# Altium PCB BaseBoard.PcbDoc (part 1 of 3) (continued)
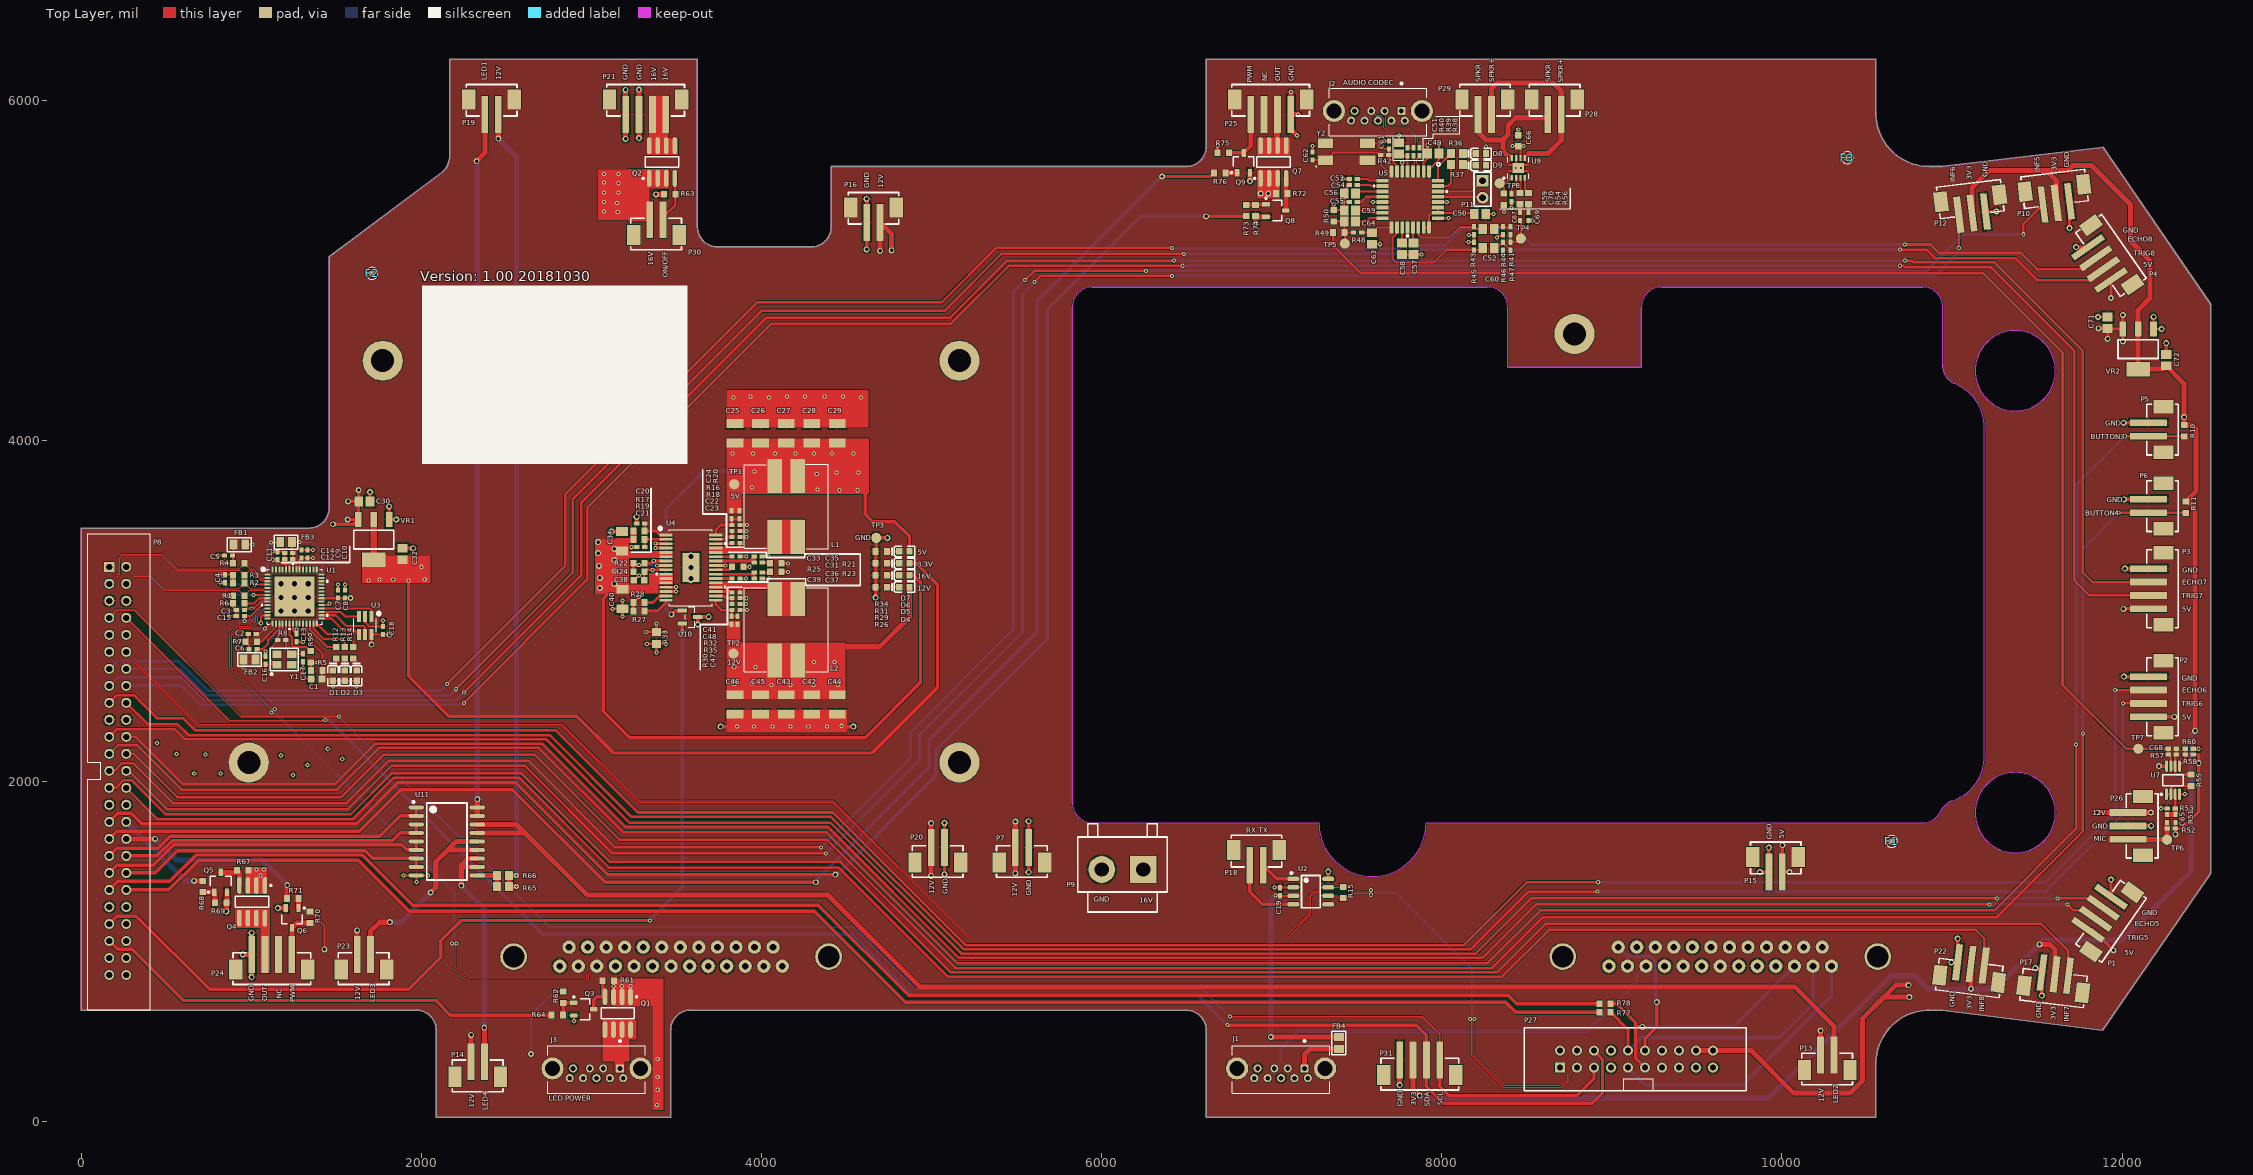
[diagram p0: Top Layer view]
## Components (designator, comment, footprint, x,y, rotation, side; value= is the part's Value field where it differs from the comment)
C1 "Cap 0603" CAP0603N 1385,2600 r0 top value=0.1uF
C2 "Cap 0402" CAP0402N 1005,2865 r0 top value=0.1uF
C3 "Cap 0402" CAP0402N 936.38,3005 r0 top value=0.1uF
C4 "Cap 0402" CAP0402N 846.38,3190 r90 top value=0.1uF
C5 "Cap 0402" CAP0402N 866.38,3325 r0 top value=0.1uF
C6 "Cap 0402" CAP0402N 1010,2775 r0 top value=0.1uF
C7 "Cap 0402" CAP0402N 1510,3100 r270 top value=0.1uF
C8 "Cap 0402" CAP0402N 1550,3100 r270 top value=0.1uF
C9 "Cap 0402" CAP0402N 1295,3335 r270 top value=0.1uF
C10 "Cap 0402" CAP0402N 1330,3335 r270 top value=0.1uF
C11 "Cap 0402" CAP0402N 1155,3325 r270 top value=0.1uF
C12 "Cap 0402" CAP0402N 1220,3305 r0 top value=0.1uF
C13 "Cap 0402" CAP0402N 1266,2843 r90 top value=0.1uF
C14 "Cap 0402" CAP0402N 1220,3340 r0 top value=0.1uF
C15 "Cap 0402" CAP0402N 936.38,2970 r0 top value=0.1uF
C16 "Cap 0402" CAP0402N 1085,2710 r270 top value=33pF
C17 "Cap 0402" CAP0402N 1305,2725 r90 top value=33pF
C18 "Cap 0402" CAP0402N 1775,2885 r270 top value=0.1uF
C19 "Cap 0402" CAP0402N 7050,1350 r270 top value=0.1uF
C20 "Cap 0402" CAP0402N 3290,3515 r180 top value=0.01uF
C21 "Cap 0402" CAP0402N 3290,3375 r180 top value=0.01uF
C22 "" CAP0402N 3850,3435 r0 top value=51pF
C23 "Cap 0402" CAP0402N 3850,3400 r0 top value=0.047uF
C24 "Cap 0402" CAP0402N 3825,3565 r270 top value=470pF
C25 "Cap 1210" CAP1210N 3845,4045 r270 top value=22uF
C26 "Cap 1210" CAP1210N 3995,4045 r270 top value=22uF
C27 "Cap 1210" CAP1210N 4145,4045 r270 top value=22uF
C28 "Cap 1210" CAP1210N 4295,4045 r270 top value=22uF
C29 "Cap 1210" CAP1210N 4445,4045 r270 top value=22uF
C30 "Cap 0805" CAP0805N 1665,3645 r180 top value=1.0uF
C31 "Cap 0402" CAP0402N 3981.38,3285 r180 top value=0.01uF
C32 "Cap 0805" CAP0805N 1890,3335 r270 top value=1.0uF
C33 "Cap 0402" CAP0402N 3850,3320 r180 top value=0.01uF
C34 "Cap 1206" CAP1206N 3180,3410 r270 top value=10uF
C35 "" CAP0402N 3981.38,3320 r0 top value=51pF
C36 "Cap 0402" CAP0402N 3981.38,3225 r180 top value=0.01uF
C37 "" CAP0402N 3981.38,3190 r0 top value=51pF
C38 "Cap 0603" CAP0603N 3280,3180 r0 top value=1.0uF
C39 "Cap 0402" CAP0402N 3850,3190 r180 top value=0.01uF
C40 "Cap 1206" CAP1206N 3183,3070 r90 top value=10uF
C41 "Cap 0402" CAP0402N 3850,3110 r0 top value=0.047uF
C42 "Cap 1210" CAP1210N 4295,2450 r90 top value=22uF
C43 "Cap 1210" CAP1210N 4145,2450 r90 top value=22uF
C44 "Cap 1210" CAP1210N 4445,2450 r90 top value=22uF
C45 "Cap 1210" CAP1210N 3995,2450 r90 top value=22uF
C46 "Cap 1210" CAP1210N 3845,2450 r90 top value=22uF
C47 "Cap 0402" CAP0402N 3860,2945 r270 top value=470pF
C48 "" CAP0402N 3850,3075 r0 top value=51pF
C49 "Cap 0805" CAP0805N 7950,5690 r0 top value=1.0uF
C50 "Cap 0805" CAP0805N 8225,5335 r180 top value=1.0uF
C51 "Cap 0805" CAP0805N 7750,5720 r270 top value=1.0uF
C52 "Cap 0805" CAP0805N 8275,5245 r0 top value=22uF
C53 "Cap 0402" CAP0402N 7480,5540 r0 top value=100pF
C54 "Cap 0402" CAP0402N 7480,5505 r0 top value=100pF
C55 "Cap 0402" CAP0402N 7480,5405 r0 top value=0.1uF
C56 "Cap 0805" CAP0805N 7460,5455 r0 top value=10uF
C57 "Cap 0805" CAP0805N 7835,5130 r270 top value=1.0uF
C58 "Cap 0805" CAP0805N 7765,5130 r270 top value=1.0uF
C59 "Cap 0805" CAP0805N 7460,5355 r0 top value=1.0uF
C60 "Cap 0805" CAP0805N 8275,5135 r0 top value=22uF
C61 "Cap 0402" CAP0402N 7690,5740 r270 top value=18pF
C62 "Cap 0402" CAP0402N 7240,5675 r270 top value=18pF
C63 "Cap 0805" CAP0805N 7590,5190 r90 top value=10uF
C64 "Cap 0805" CAP0805N 7460,5290 r0 top value=1.0uF
C65 "Cap 0402" CAP0402N 12265,1780 r270 top value=1.0uF
C66 "Cap 0603" CAP0603N 8450,5765 r270 top value=1.0uF
C67 "Cap 0402" CAP0402N 8460,5320 r270 top value=0.22uF
C68 "Cap 0402" CAP0402N 12295,2190 r180 top value=0.01uF
C69 "Cap 0402" CAP0402N 8510,5320 r270 top value=0.22uF
C70 "Cap 0402" CAP0402N 8410,5430 r90 top value=0.22uF
C71 "Cap 0805" CAP0805N 11915,4695 r270 top value=1.0uF
C72 "Cap 0805" CAP0805N 12260,4475 r270 top value=1.0uF
D1 "绿灯 0603" 0603_LED_S1 1480,2620 r270 top
D2 "蓝灯 0603" 0603_LED_S1 1550,2620 r270 top
D3 "黄灯 0603" 0603_LED_S1 1620,2620 r270 top
D4 "红灯 0603" 0603_LED_S1 4840,3140 r0 top
D5 "绿灯 0603" 0603_LED_S1 4840,3210 r0 top
D6 "蓝灯 0603" 0603_LED_S1 4840,3280 r0 top
D7 "黄灯 0603" 0603_LED_S1 4840,3350 r0 top
D8 "蓝灯 0603" 0603_LED_S1 8230,5690 r0 top
D9 "绿灯 0603" 0603_LED_S1 8230,5620 r0 top
F1 "Fiducial, .040\"" "FIDUCIAL, .040\"" 10645,1645 r0 top
F2 "Fiducial, .040\"" "FIDUCIAL, .040\"" 1710,4985 r0 top
F3 "Fiducial, .040\"" "FIDUCIAL, .040\"" 10385,5665 r0 top
F4 "Fiducial, .040\"" "FIDUCIAL, .040\"" 10385,5665 r180 bottom
F5 "Fiducial, .040\"" "FIDUCIAL, .040\"" 1710,4985 r180 bottom
F6 "Fiducial, .040\"" "FIDUCIAL, .040\"" 10645,1645 r180 bottom
FB1 "100Ω ±25% 100MHz" 0805_L 930,3390 r180 top
FB2 "100Ω ±25% 100MHz" 0805_L 990,2715 r0 top
FB3 "100Ω ±25% 100MHz" 0805_L 1205,3405 r180 top
FB4 "100Ω ±25% 100MHz" 0805_L 7395,460 r90 top
J1 "10117836-002LF" AMPHENOL_10117836-002LF_10117836-002LF(Primary) 7055,310 r180 top
J2 "10117836-002LF" AMPHENOL_10117836-002LF_10117836-002LF(Primary) 7625,5940 r180 top
J3 "10117836-002LF" AMPHENOL_10117836-002LF_10117836-002LF(Primary) 3030,310 r180 top
L1 "Indc" SRF1280 4145,3615 r180 top value=3.3uH
L2 "Indc" SRF1280 4145,2890 r0 top value=3.3uH
P1 "B4B-PH-SM4-TB(LF)(SN)" B4B-PH-SM4-TB(LF)(SN) 11890,1255 r55 top
P2 "B4B-PH-SM4-TB(LF)(SN)" B4B-PH-SM4-TB(LF)(SN) 12155,2535 r90 top
P3 "B4B-PH-SM4-TB(LF)(SN)" B4B-PH-SM4-TB(LF)(SN) 12155,3170 r90 top
P4 "B4B-PH-SM4-TB(LF)(SN)" B4B-PH-SM4-TB(LF)(SN) 11845,5075 r125 top
P5 "B2B-PH-SM4-TB(LF)(SN)" B2B-PH-SM4-TB(LF)(SN) 12155,4185 r90 top
P6 "B2B-PH-SM4-TB(LF)(SN)" B2B-PH-SM4-TB(LF)(SN) 12155,3735 r90 top
P7 "B2B-PH-SM4-TB(LF)(SN)" B2B-PH-SM4-TB(LF)(SN) 5650,1610 r0 top
P8 "Header 25X2" HDR_2X25 165,3260 r270 top
P9 "JST VL 2POS Header" JST-VL-2POS 6245,1480 r180 top
P10 "B3B-PH-SM4-TB(LF)(SN)" B3B-PH-SM4-TB(LF)(SN) 11535,5390 r187 top
P11 "0.1\" 2POS Header SNGL" "2 POS HEADER SINGLE ROW" 8240,5530 r270 top
P12 "B3B-PH-SM4-TB(LF)(SN)" B3B-PH-SM4-TB(LF)(SN) 11040,5330 r187 top
P13 "B2B-PH-SM4-TB(LF)(SN)" B2B-PH-SM4-TB(LF)(SN) 10385,390 r0 top
P14 "B2B-PH-SM4-TB(LF)(SN)" B2B-PH-SM4-TB(LF)(SN) 2450,350 r0 top
P15 "B2B-PH-SM4-TB(LF)(SN)" B2B-PH-SM4-TB(LF)(SN) 9845,1465 r180 top
P16 "B2B-PH-SM4-TB(LF)(SN)" B2B-PH-SM4-TB(LF)(SN) 4540,5285 r180 top
P17 "B3B-PH-SM4-TB(LF)(SN)" B3B-PH-SM4-TB(LF)(SN) 11685,855 r353 top
P18 "B2B-PH-SM4-TB(LF)(SN)" B2B-PH-SM4-TB(LF)(SN) 6792.4,1505 r180 top
P19 "B2B-PH-SM4-TB(LF)(SN)" B2B-PH-SM4-TB(LF)(SN) 2295,5920 r180 top
P20 "B2B-PH-SM4-TB(LF)(SN)" B2B-PH-SM4-TB(LF)(SN) 5155,1610 r0 top
P21 "B4B-PH-SM4-TB(LF)(SN)" B4B-PH-SM4-TB(LF)(SN) 3280,5920 r180 top
P22 "B3B-PH-SM4-TB(LF)(SN)" B3B-PH-SM4-TB(LF)(SN) 11190,915 r353 top
P23 "B2B-PH-SM4-TB(LF)(SN)" B2B-PH-SM4-TB(LF)(SN) 1780,980 r0 top
P24 "B4B-PH-SM4-TB(LF)(SN)" B4B-PH-SM4-TB(LF)(SN) 1160,980 r0 top
P25 "B4B-PH-SM4-TB(LF)(SN)" B4B-PH-SM4-TB(LF)(SN) 6955,5920 r180 top
P26 "B3B-PH-SM4-TB(LF)(SN)" B3B-PH-SM4-TB(LF)(SN) 12035,1815 r90 top
P27 "Header 10X2H" HDR_2X10 8695,315 r0 top
P28 "B2B-PH-SM4-TB(LF)(SN)" B2B-PH-SM4-TB(LF)(SN) 8545,5920 r180 top
P29 "B2B-PH-SM4-TB(LF)(SN)" B2B-PH-SM4-TB(LF)(SN) 8135,5920 r180 top
P30 "B2B-PH-SM4-TB(LF)(SN)" B2B-PH-SM4-TB(LF)(SN) 3500,5300 r0 top
P31 "B4B-PH-SM4-TB(LF)(SN)" B4B-PH-SM4-TB(LF)(SN) 7910,360 r0 top
Q1 "IRF9310TRPBF" SOIC-SN8_M 3155,635 r270 top
Q2 "IRF9310TRPBF" SOIC-SN8_M 3415,5640 r90 top
Q3 "AO3400A N道沟 X0YV1T SOT-23" SOT-23-3L 2955,659 r180 top
Q4 "IRF9310TRPBF" SOIC-SN8_M 1005,1290 r270 top
Q5 "AO3400A N道沟 X0YV1T SOT-23" SOT-23-3L 820,1405 r270 top
Q6 "AO3400A N道沟 X0YV1T SOT-23" SOT-23-3L 1240,1195 r90 top
Q7 "IRF9310TRPBF" SOIC-SN8_M 7010,5640 r90 top
Q8 "AO3400A N道沟 X0YV1T SOT-23" SOT-23-3L 7025,5355 r180 top
Q9 "AO3400A N道沟 X0YV1T SOT-23" SOT-23-3L 6835,5635 r270 top
R1 "Res 0603" RES0603N 926.38,3090 r180 top value=49.9
R2 "Res 0603" RES0603N 926.38,3165 r180 top value=49.9
R3 "Res 0603" RES0603N 926.38,3210 r180 top value=49.9
R4 "Res 0603" RES0603N 926.38,3280 r180 top value=49.9
R5 "Res 0603" RES0603N 1385,2650 r180 top value=10k
R6 "Res 0603" RES0603N 926.38,3045 r0 top value=12k
R7 "Res 0603" RES0603N 1000,2820 r0 top value=12k
R8 "Res 0402" RES0402N 1180,2830 r0 top value=1M
R9 "Res 0603" RES0603N 1350,2730 r90 top value=0
R10 "Res 0603" RES0603N 12365,4060 r90 top value=10k
R11 "Res 0603" RES0603N 12375,3610 r90 top value=10k
R12 "Res 0603" RES0603N 1500,2755 r90 top value=1.0k
R13 "Res 0603" RES0603N 1550,2755 r90 top value=1.0k
R14 "Res 0603" RES0603N 1600,2755 r90 top value=1.0k
R15 "Res 0603" RES0603N 7420,1345 r90 top value=120
R16 "Res 0402" RES0402N 3850,3505 r0 top value=5.76k
R17 "Res 0603" RES0603N 3280,3470 r0 top value=100k
R18 "Res 0402" RES0402N 3850,3470 r0 top value=51k
R19 "Res 0603" RES0603N 3280,3420 r0 top value=100k
R20 "Res 0402" RES0402N 3870,3565 r270 top value=42.2k
R21 "Res 0603" RES0603N 4085,3280 r0 top value=2.7k
R22 "Res 0603" RES0603N 3280,3280 r0 top value=0(NC)
R23 "Res 0603" RES0603N 4085,3230 r0 top value=2.7k
R24 "Res 0603" RES0603N 3280,3230 r0 top value=0
R25 "Res 0603" RES0603N 3860,3260 r0 top value=43.0k
R26 "Res 0603" RES0603N 4705,3140 r180 top value=20k
R27 "Res 0603" RES0603N 3280,3000 r180 top value=100k
R28 "Res 0603" RES0603N 3280,3050 r180 top value=100k
R29 "Res 0603" RES0603N 4705,3210 r180 top value=30k
R30 "Res 0402" RES0402N 3825,2945 r270 top value=42.2k
R31 "Res 0603" RES0603N 4705,3280 r180 top value=1.0k
R32 "Res 0402" RES0402N 3850,3040 r0 top value=51k
R33 "Res 0805" RES0805N 3383,2842 r270 top value=0
R34 "Res 0603" RES0603N 4705,3350 r180 top value=5.76k
R35 "Res 0402" RES0402N 3850,3005 r180 top value=2.2k
R36 "Res 0805" RES0805N 8090,5690 r0 top value=698
R37 "Res 0805" RES0805N 8090,5625 r0 top value=698
R38 "Res 0402" RES0402N 7870,5700 r270 top value=22
R39 "Res 0402" RES0402N 7835,5700 r270 top value=22
R40 "Res 0402" RES0402N 7800,5700 r270 top value=1.5k
R41 "Res 0402" RES0402N 8405,5235 r270 top value=0
R42 "Res 0402" RES0402N 7665,5680 r180 top value=1M
R43 "Res 0402" RES0402N 8190,5235 r90 top value=3.16k
R44 "Res 0402" RES0402N 8360,5235 r90 top value=3.16k
R45 "Res 0402" RES0402N 8190,5145 r90 top value=3.16k
R46 "Res 0402" RES0402N 8360,5145 r270 top value=3.16k
R47 "Res 0402" RES0402N 8405,5145 r90 top value=0
R48 "Res 0402" RES0402N 7505,5225 r0 top value=2.2k
R49 "Res 0603" RES0603N 7395,5225 r0 top value=49.9k
R50 "Res 0603" RES0603N 7365,5325 r270 top value=10k
R51 "Res 0402" RES0402N 12315,1780 r90 top value=10K
R52 "Res 0402" RES0402N 12290,1720 r0 top value=2.2k
R53 "Res 0402" RES0402N 12290,1840 r180 top value=10K
R54 "Res 0603" RES0603N 8460,5425 r90 top value=12k
R55 "Res 0603" RES0603N 12405,2005 r270 top value=10k
R56 "Res 0603" RES0603N 8510,5425 r90 top value=12k
R57 "Res 0402" RES0402N 12295,2155 r0 top value=100k
R58 "Res 0402" RES0402N 12395,2155 r180 top value=10K
R59 "Res 0603" RES0603N 8365,5420 r270 top value=10k
R60 "Res 0402" RES0402N 12395,2190 r180 top value=10K
R61 "Res 0603" RES0603N 3100,825 r0 top value=10k
R62 "Res 0603" RES0603N 2835,729 r90 top value=20k
R63 "Res 0603" RES0603N 3460,5450 r0 top value=10k
R64 "Res 0603" RES0603N 2800,624 r0 top value=1.0k
R65 "Res 0805" RES0805N 2480,1380 r0 top value=0
R66 "Res 0805" RES0805N 2480,1445 r0 top value=0
R67 "Res 0603" RES0603N 950,1475 r0 top value=10k
R68 "Res 0603" RES0603N 715,1380 r270 top value=1.0k
R69 "Res 0603" RES0603N 820,1285 r180 top value=10k
R70 "Res 0603" RES0603N 1345,1200 r90 top value=10k
R71 "Res 0603" RES0603N 1245,1310 r180 top value=1.0k
R72 "Res 0603" RES0603N 7060,5455 r180 top value=10k
R73 "Res 0603" RES0603N 6850,5355 r90 top value=1.0k
R74 "Res 0603" RES0603N 6905,5355 r90 top value=10k
R75 "Res 0603" RES0603N 6715,5695 r180 top value=10k
R76 "Res 0603" RES0603N 6695,5575 r180 top value=1.0k
R77 "Res 0603" RES0603N 8960,640 r0 top value=0
R78 "Res 0603" RES0603N 8960,690 r0 top value=0
TP1 "Test Point, 60mil" test_point_60_mil 3840,3745 r0 top
TP2 "Test Point, 60mil" test_point_60_mil 3835,2750 r90 top
TP3 "Test Point, 60mil" test_point_60_mil 4675,3430 r90 top
TP4 "Test Point, 60mil" test_point_60_mil 8465,5190 r90 top
TP5 "Test Point, 60mil" test_point_60_mil 7430,5160 r90 top
TP6 "Test Point, 60mil" test_point_60_mil 12265,1655 r90 top
TP7 "Test Point, 60mil" test_point_60_mil 12095.69,2190 r90 top
TP8 "Test Point, 60mil" test_point_60_mil 8340,5515 r90 top
U1 "LAN9500AI-ABZJ-T" QFN56_8X8MC-M 1255,3085 r0 top value=Value
U2 "CAN/TJA1050T/CM" SOIC-8_150mil 7230,1350 r270 top
U3 "93AA56AT-I/OT" SOT-23-6_MC-M 1670,2915 r270 top value=Value
U4 "TPS65279DAPR" DAD32-M 3585,3255 r0 top
U5 "PCM2912A" PJT32-M 7815,5420 r270 top
U6 "DSUB25_M_WDB951-PM25G" DSUB25_M_WDB951-PM25G 3468.5,967.81 r0 bottom locked
U7 "MCP6002T-I/MS" MSOP-MS8_N 12300,2005 r90 top
U8 "DSUB25_M_WDB951-PM25G" DSUB25_M_WDB951-PM25G 9637.4,967.81 r0 bottom locked
U9 "TPA6211A1DRBR" DRB8_1P75X1P5 8450,5605 r90 top
U10 "LM50CIM3/NOPB" MF03A-M 3580,2965 r270 top
U11 "ULN2803ADW" SOIC-18_300mil 2150,1645 r270 top
VR1 "AZ1117EH-3.3TRG1" SOT-223 1720,3420 r90 top
VR2 "AZ1117EH-3.3TRG1" SOT-223 12095,4540 r90 top
Y1 "25MHZ 12PF 10PPM" SMD-3225_4P 1195,2715 r0 top
Y2 "ABMM-6.000MHZ-B2-T" SMD-7050_4P 7440,5700 r0 top

## Footprints (in the part's own frame and the unit in brackets; to place one, negate y for a bottom-side part, rotate by r counter-clockwise, add the part's x,y. Pads: shape width x height; smd on the part's side, far side on the other; paste and mask are expansions set on the pad)
"2 POS HEADER SINGLE ROW" [mil]
  rect 70x70 hole 40.16: 1(0,0)
  round 70 hole 40.16: 2(100,0)
  silkscreen extent -50,-50 150,50, body extent -50,-48 150,52, height 234
0603_LED_S1 [mm]
  rect 0.93x0.98 smd: A(0.77,0) K(-0.77,0)
  silkscreen extent -1.98,-0.79 1.54,0.79, body extent -0.8,-0.4 0.8,0.4, height 0.6
0805_L [mm]
  rect 1.16x1.47 smd: 1(-0.89,0) 2(0.89,0)
  silkscreen extent -1.77,-1.04 1.77,1.03, body extent -1.02,-0.64 1.03,0.64, height 0.6
AMPHENOL_10117836-002LF_10117836-002LF(Primary) [mm]
  rect 1.208x1.208 hole 0.7: 1(-3.5,0)
  round 1.208 hole 0.7: 2(-1,0) 3(1,0) 4(3.5,0) 5(4,1.44) 6(2,1.44) 7(0,1.44) 8(-2,1.44) 9(-4,1.44)
  round 3.316 hole 2.3: S1(-6.57,0) S2(6.57,0)
  silkscreen extent -7.25,-4.24 7.25,3.69, body extent -7.71,-3.42 7.96,3.7, height 14.8
B2B-PH-SM4-TB(LF)(SN) [mm]
  rect 2x3 smd: 0(-6.4,-2.25) 0(0.4,-2.25)
  rect 1x5.5 smd: 1(-4,0) 2(-2,0)
  silkscreen extent -6.8,-4.47 0.76,0.25, body extent -7.02,-4.57 0.93,2.43, height 6.62
B3B-PH-SM4-TB(LF)(SN) [mm]
  rect 2x3 smd: 0(-6.4,-2.25) 0(2.4,-2.25)
  rect 1x5.5 smd: 1(-4,0) 2(-2,0) 3(0,0)
  silkscreen extent -6.8,-4.47 2.79,0.25, body extent -7.01,-4.57 2.94,2.43, height 6.62
B4B-PH-SM4-TB(LF)(SN) [mm]
  rect 2x3 smd: 0(-6.4,-2.25) 0(4.4,-2.25)
  rect 1x5.5 smd: 1(-4,0) 2(-2,0) 3(0,0) 4(2,0)
  silkscreen extent -6.8,-4.48 4.83,0.25, body extent -6.99,-4.57 4.96,2.43, height 6.62
CAP0402N [mm] "Chip Capacitor, Body 1.0x0.5mm, IPC Medium Density"
  rect 0.8x0.6 smd: 1(-0.6,0) 2(0.6,0)
  body extent -0.48,-0.3 0.52,0.3, height 0.2
CAP0603N [mm] "Chip Capacitor, Body 1.6x0.8mm, IPC Medium Density"
  rect 1x1 smd: 1(-0.8,0) 2(0.8,0)
  body extent -0.8,-0.4 0.8,0.4, height 0.3
CAP0805N [mm] "Chip Capacitor, Body 2.0x1.3mm, IPC Medium Density"
  rect 1.3x1.5 smd: 1(-0.85,0) 2(0.85,0)
  body extent -1,-0.62 1,0.63, height 0.77
CAP1206N [mm] "Chip Capacitor, Body 3.2x1.6mm, IPC Medium Density"
  rect 1.3x1.8 smd: 1(-1.45,0) 2(1.45,0)
  body extent -1.6,-0.81 1.6,0.79, height 1
CAP1210N [mm] "Chip Capacitor, Body 3.2x1.6mm, IPC Medium Density"
  rect 1.3x2.5 smd: 1(-1.45,0) 2(1.45,0)
  body extent -1.6,-1.25 1.6,1.25, height 1.3
DAD32-M [mil]
  rect 78x16 smd paste+0 mask+0: 1(-146.5,191.93) 2(-146.5,166.34) 3(-146.5,140.75) 4(-146.5,115.16) 5(-146.5,89.57) 6(-146.5,63.98) 7(-146.5,38.39) 8(-146.5,12.8) 9(-146.5,-12.8) 10(-146.5,-38.39) 11(-146.5,-63.98) 12(-146.5,-89.57) 13(-146.5,-115.16) 14(-146.5,-140.75) 15(-146.5,-166.34) 16(-146.5,-191.93) 17(146.5,-191.93) 18(146.5,-166.34) 19(146.5,-140.75) 20(146.5,-115.16) 21(146.5,-89.57) 22(146.5,-63.98) 23(146.5,-38.39) 24(146.5,-12.8) 25(146.5,12.8) 26(146.5,38.39) 27(146.5,63.98) 28(146.5,89.57) 29(146.5,115.16) 30(146.5,140.75) 31(146.5,166.34) 32(146.5,191.93)
  rect 100x170 smd: 33(0,0)
  silkscreen extent -206,-224 206,237, body extent -164,-219 164,219, height 47
DRB8_1P75X1P5 [mm]
  rect 0.85x0.35 smd paste-0.412: 1(-1.475,0.975) 2(-1.475,0.325) 3(-1.475,-0.325) 4(-1.475,-0.975) 5(1.475,-0.975) 6(1.475,-0.325) 7(1.475,0.325) 8(1.475,0.975)
  rect 1.5x1.75 smd paste-0.862 mask-0.864: 9(0,0)
  round 0.508 / inner round 1.524 / far side round 0.508 hole 0.254: V(0,0.394) V(0,-0.394)
  Top Layer region: -0.317,-0.875 -0.547,-0.875 -0.547,-1.575 -0.317,-1.575
  Top Layer region: 0.317,-0.875 0.547,-0.875 0.547,-1.575 0.317,-1.575
  Top Layer region: 0.317,0.875 0.547,0.875 0.547,1.575 0.317,1.575
  Top Layer region: -0.317,0.875 -0.547,0.875 -0.547,1.575 -0.317,1.575
  Top Layer region: 0,-0.875 0,-0.875 0,-0.875 0,-0.875 0,-0.875 0,-0.875 0,-0.875 0,-0.875
  Top Layer region: 0,0.875 0,0.875 0,0.875 0,0.875 0,0.875 0,0.875 0,0.875 0,0.875
  silkscreen extent -1.65,-1.58 1.58,2.29, body extent -1.87,-1.58 1.87,1.58, height 1
DSUB25_M_WDB951-PM25G [mm]
  round 2 hole 1: 1(-16.62,1.42) 2(-13.85,1.42) 3(-11.08,1.42) 4(-8.31,1.42) 5(-5.54,1.42) 6(-2.77,1.42) 7(0,1.42) 8(2.77,1.42) 9(5.54,1.42) 10(8.31,1.42) 11(11.08,1.42) 12(13.85,1.42) 13(16.62,1.42) 14(-15.235,-1.42) 15(-12.465,-1.42) 16(-9.695,-1.42) 17(-6.925,-1.42) 18(-4.155,-1.42) 19(-1.385,-1.42) 20(1.385,-1.42) 21(4.155,-1.42) 22(6.925,-1.42) 23(9.695,-1.42) 24(12.465,-1.42) 25(15.235,-1.42)
  round 4 hole 3.2: 26(23.525,0) 27(-23.525,0)
  silkscreen extent -30.75,-10.45 30.75,10.55, body extent -30.75,-10.45 30.75,10.55, height 14.12
"FIDUCIAL, .040\"" [mil]
  round 40 smd paste-20 mask+15: ""(0,0)
  silkscreen extent -35,-35 35,35
HDR_2X10 [mm] "Connector; Header; 10x2 Position"
  rect 1.5x1.5 hole 0.9: 1(0,0)
  round 1.5 hole 0.9: 2(0,2.54) 3(2.54,0) 4(2.54,2.54) 5(5.08,0) 6(5.08,2.54) 7(7.62,0) 8(7.62,2.54) 9(10.16,0) 10(10.16,2.54) 11(12.7,0) 12(12.7,2.54) 13(15.24,0) 14(15.24,2.54) 15(17.78,0) 16(17.78,2.54) 17(20.32,0) 18(20.32,2.54) 19(22.86,0) 20(22.86,2.54)
  silkscreen extent -5.33,-3.43 27.81,5.97, body extent -5.21,-3.3 27.81,5.92, height 9.22
HDR_2X25 [mm] "Connector; Header; 25x2 Position"
  rect 1.5x1.5 hole 0.9: 1(0,0)
  round 1.5 hole 0.9: 2(0,2.54) 3(2.54,0) 4(2.54,2.54) 5(5.08,0) 6(5.08,2.54) 7(7.62,0) 8(7.62,2.54) 9(10.16,0) 10(10.16,2.54) 11(12.7,0) 12(12.7,2.54) 13(15.24,0) 14(15.24,2.54) 15(17.78,0) 16(17.78,2.54) 17(20.32,0) 18(20.32,2.54) 19(22.86,0) 20(22.86,2.54) 21(25.4,0) 22(25.4,2.54) 23(27.94,0) 24(27.94,2.54) 25(30.48,0) 26(30.48,2.54) 27(33.02,0) 28(33.02,2.54) 29(35.56,0) 30(35.56,2.54) 31(38.1,0) 32(38.1,2.54) 33(40.64,0) 34(40.64,2.54) 35(43.18,0) 36(43.18,2.54) 37(45.72,0) 38(45.72,2.54) 39(48.26,0) 40(48.26,2.54) 41(50.8,0) 42(50.8,2.54) 43(53.34,0) 44(53.34,2.54) 45(55.88,0) 46(55.88,2.54) 47(58.42,0) 48(58.42,2.54) 49(60.96,0) 50(60.96,2.54)
  silkscreen extent -4.95,-3.18 66.17,6.1, body extent -4.95,-3.17 66.17,6.05, height 9.22
JST-VL-2POS [mm] "2 PIN JST PH HEADER"
  rect 4x4 hole 2.1: 1(0,0)
  round 4 hole 2.1: 2(6.2,0)
  silkscreen extent -3.6,-6.84 9.8,6.36, body extent -3.6,-6.7 9.8,6.5, height 16.4
MF03A-M [mil]
  rect 24x57 smd: 1(-37.5,-45.5) 2(37.5,-45.5) 3(0,45.5)
  silkscreen extent -60,-28 60,28, body extent -57,-50 57,50, height 40
MSOP-MS8_N [mm] "TSOP, 8-Leads, Body 3x3mm, Pitch 0.65mm, IPC Medium Density"
  oval 1.7x0.45 smd: 1(-2.1,0.975) 2(-2.1,0.325) 3(-2.1,-0.325) 4(-2.1,-0.975) 5(2.1,-0.975) 6(2.1,-0.325) 7(2.1,0.325) 8(2.1,0.975)
  silkscreen extent -2.22,-1.55 0.85,1.87, body extent -1.6,-1.6 1.6,1.6, height 1.1
PJT32-M [mil]
  rect 70x22 smd: 1(-164,110.24) 2(-164,78.74) 3(-164,47.24) 4(-164,15.75) 5(-164,-15.75) 6(-164,-47.24) 7(-164,-78.74) 8(-164,-110.24) 17(164,-110.24) 18(164,-78.74) 19(164,-47.24) 20(164,-15.75) 21(164,15.75) 22(164,47.24) 23(164,78.74) 24(164,110.24)
  rect 22x70 smd: 9(-110.24,-164) 10(-78.74,-164) 11(-47.24,-164) 12(-15.75,-164) 13(15.75,-164) 14(47.24,-164) 15(78.74,-164) 16(110.24,-164) 25(110.24,164) 26(78.74,164) 27(47.24,164) 28(15.75,164) 29(-15.75,164) 30(-47.24,164) 31(-78.74,164) 32(-110.24,164)
  silkscreen extent -216,-219 219,219, body extent -177,-177 177,177, height 47
QFN56_8X8MC-M [mil]
  rect 36x12 smd paste+0 mask+0: 1(-158.5,130) 2(-158.5,110) 3(-158.5,90) 4(-158.5,70) 5(-158.5,50) 6(-158.5,30) 7(-158.5,10) 8(-158.5,-10) 9(-158.5,-30) 10(-158.5,-50) 11(-158.5,-70) 12(-158.5,-90) 13(-158.5,-110) 14(-158.5,-130) 29(158.5,-130) 30(158.5,-110) 31(158.5,-90) 32(158.5,-70) 33(158.5,-50) 34(158.5,-30) 35(158.5,-10) 36(158.5,10) 37(158.5,30) 38(158.5,50) 39(158.5,70) 40(158.5,90) 41(158.5,110) 42(158.5,130)
  rect 12x36 smd paste+0 mask+0: 15(-130,-158.5) 16(-110,-158.5) 17(-90,-158.5) 18(-70,-158.5) 19(-50,-158.5) 20(-30,-158.5) 21(-10,-158.5) 22(10,-158.5) 23(30,-158.5) 24(50,-158.5) 25(70,-158.5) 26(90,-158.5) 27(110,-158.5) 28(130,-158.5) 43(130,158.5) 44(110,158.5) 45(90,158.5) 46(70,158.5) 47(50,158.5) 48(30,158.5) 49(10,158.5) 50(-10,158.5) 51(-30,158.5) 52(-50,158.5) 53(-70,158.5) 54(-90,158.5) 55(-110,158.5) 56(-130,158.5)
  rect 236x236 smd paste-117.5 mask-117.5: 57(0,0)
  silkscreen extent -196,-196 196,196, body extent -161,-161 161,161, height 55
RES0402N [mm] "Chip Resistor, Body 1.0x0.5mm, IPC Medium Density"
  rect 0.8x0.6 smd: 1(-0.6,0) 2(0.6,0)
  body extent -0.57,-0.27 0.58,0.28, height 0.41
RES0603N [mm] "Chip Resistor, Body 1.6x0.8mm, IPC Medium Density"
  rect 0.9x1 smd: 1(-0.85,0) 2(0.85,0)
  body extent -0.85,-0.4 0.85,0.4, height 0.56
RES0805N [mm] "Chip Resistor, Body 2.0x1.3mm, IPC Medium Density"
  rect 1.2x1.4 smd: 1(-0.9,0) 2(0.9,0)
  body extent -1,-0.62 1,0.63, height 0.49
SMD-3225_4P [mm]
  rect 1.4x1.15 smd: 1(-1.1,-0.8) 2(1.1,-0.8) 3(1.1,0.8) 4(-1.1,0.8)
  silkscreen extent -2.1,-2.35 2.1,1.7, body extent -1.6,-1.25 1.6,1.25, height 0.61
SMD-7050_4P [mil]
  rect 87x55 smd: 1(-124,-50) 2(-124,50) 3(124,50)
  rect 94x55 smd: 4(124,-50)
  silkscreen extent -181,-89 -176,-84, body extent -141,-100 142,105, height 51
SOIC-8_150mil [mm]
  oval 0.7x1.8 smd: 1(-1.905,-2.6) 2(-0.635,-2.6) 3(0.635,-2.6) 4(1.905,-2.6) 5(1.905,2.6) 6(0.635,2.6) 7(-0.635,2.6) 8(-1.905,2.6)
  silkscreen extent -2.9,-3.05 2.4,1.4
SOIC-18_300mil [mm]
  oval 0.6x2.3 smd: 1(-5.08,-4.55) 2(-3.81,-4.55) 3(-2.54,-4.55) 4(-1.27,-4.55) 5(0,-4.55) 6(1.27,-4.55) 7(2.54,-4.55) 8(3.81,-4.55) 9(5.08,-4.55) 10(5.08,4.55) 11(3.81,4.55) 12(2.54,4.55) 13(1.27,4.55) 14(0,4.55) 15(-1.27,4.55) 16(-2.54,4.55) 17(-3.81,4.55) 18(-5.08,4.55)
  silkscreen extent -6.05,-5.15 5.75,3
SOIC-SN8_M [mm] "SOIC, 8-Leads, Body 4.9x3.8mm, Pitch 1.27mm, IPC Low Density"
  oval 2.5x0.7 smd: 1(-2.45,1.905) 2(-2.45,0.635) 3(-2.45,-0.635) 4(-2.45,-1.905) 5(2.45,-1.905) 6(2.45,-0.635) 7(2.45,0.635) 8(2.45,1.905)
  silkscreen extent -2.57,-2.5 0.8,2.93, body extent -3.01,-2.59 3.01,2.41, height 1.75
SOT-23-3L [mm] "http://www.aosmd.com/res/packaging_information/SOT-23-3L.pdf"
  rect 1.15x0.65 smd: 1(1.475,-0.95) 2(1.475,0.95) 3(-1.475,0)
  silkscreen extent -0.9,-1.95 1.6,1.55, body extent -0.9,-1.55 0.9,1.55, height 1.25
SOT-23-6_MC-M [mil]
  rect 64x24 smd paste+0 mask+0: 1(-53,37.4) 2(-53,0) 3(-53,-37.4) 4(53,-37.4) 5(53,0) 6(53,37.4)
  silkscreen extent -77,-66 41,87, body extent -63,-61 63,61, height 57
SOT-223 [mm]
  rect 2.2x1 smd: 1(3,-2.3) 2(3,0) 3(3,2.3)
  rect 2.2x3.5 smd: 4(-3,0)
  silkscreen extent -1.4,-3 1.4,3, body extent -3.49,-3.24 3.49,3.24, height 1.64
SRF1280 [mil] "SRF1280"
  rect 85x200 smd: 1(-67.5,180) 2(67.5,180) 3(67.5,-180) 4(-67.5,-180)
  silkscreen extent -247,-247 247,248, body extent -246,-246 246,246, height 307
test_point_60_mil [mil]
  round 60 smd paste-30: 0(0,0)

## Part data
C1: library part "CAP CER 0.1UF 50V Y5V 0603", "0.1μF -20%, +80% 50V Ceramic Capacitor Y5V (F) 0603 (1608 Metric)", Manufacturer="AVX Corporation", Manufacturer Part Number=06035G104ZAT2A, Package=0603, Supplier 1 Part Number=478-3724-1-ND, Voltage - Rated=50V, Component Type=Standard, Mounting Type=smt, Part Number="CAP CER 0.1UF 50V Y5V 0603", Price Break=1000, Supplier 1=Digikey, Unit Price-Supplier 1=.11, Unit Price in Quantity=.0205, Vendor/Distributor=Digikey
C2 C3 C4 C5 C6 C7 C8 C9 C10 C11 C12 C13 C14 C15 C18 C19: library part "CAP CER 0.1UF 50V 10% X7R 0402", "CAP CER 0.1UF 50V 10% X7R 0402", Manufacturer="TDK Corporation", Manufacturer Part Number=C1005X7R1H104K, Package=0402, Supplier 1 Part Number=445-5932-1-ND, Voltage - Rated=50V, Component Type=Standard, DatasheetDocument=http://www.tdk.com/pdf/general_B11.pdf, Mounting Type=smt, Part Number="CAP CER 0.1UF 50V 10% X7R 0402", Part URL-Supplier 1=http://www.digikey.com/product-detail/en/C1005X7R1H104K/445-5932-1-ND/2443972?cur=USD, Price Break=1000, Supplier 1=Digikey, Unit Price-Supplier 1=.15, Unit Price in Quantity=.0275, Vendor/Distributor=Digikey
C16 C17: library part "CAP CERAMIC 33PF 50V NP0 0402", "CAP CERAMIC 33PF 50V NP0 0402", Manufacturer=Yageo, Manufacturer Part Number=CC0402JRNP09BN330, Package=0402, Supplier 1 Part Number=311-1020-1-ND, Voltage - Rated=50V, Component Type=Standard, Mounting Type=smt, Part Number="CAP CERAMIC 33PF 50V NP0 0402", Price Break=10000, Supplier 1=Digikey, Unit Price-Supplier 1=.013, Unit Price in Quantity=.0019, Vendor/Distributor=Digikey
C20 C21 C31 C33 C36 C39 C68: library part "CAP CERAMIC .01UF 50V X7R 0402", "CAP CERAMIC .01UF 50V X7R 0402", Manufacturer=Yageo, Manufacturer Part Number=CC0402KRX7R9BB103, Package=0402, Supplier 1 Part Number=311-1349-1-ND, Supplier 2 Part Number=GRM155R71H103KA88D, Voltage - Rated=50V, Component Type=Standard, Mounting Type=smt, Part Number="CAP CERAMIC .01UF 50V X7R 0402", Part URL-Supplier 1=http://search.digikey.com/scripts/DkSearch/dksus.dll?Detail&name=311-1349-2-ND, Price Break=10000, Supplier 1=Digikey, Supplier 2=Digikey, Unit Price-Supplier 1=.0018, Unit Price in Quantity=.0018, Vendor/Distributor=Digikey
C22 C35 C37 C48: library part "CAP CER 51PF 50V 5% NP0 0402", "CAP CER 51PF 50V 5% NP0 0402", Manufacturer=Samsung, Manufacturer Part Number=CL05C510JB5NNNC, Package=0402, Supplier 1 Part Number=1276-1704-1-ND, Voltage - Rated=50V, Component Type=Standard, Mounting Type=smt, Part Number="CAP CER 51PF 50V 5% NP0 0402", Price Break=1000, Supplier 1=Digikey, Unit Price-Supplier 1=.1, Unit Price in Quantity=.0117, Vendor/Distributor=Digikey
C23 C41: library part "CAP CER 47000PF 25V X7R 0402", "CAP CER 47000PF 25V X7R 0402", Manufacturer=TDK, Manufacturer Part Number=C1005X7R1E473K, Package=0402, Supplier 1 Part Number=445-4941-1-ND, Voltage - Rated=25V, Component Type=Standard, Mounting Type=smt, Part Number="CAP CER 47000PF 25V X7R 0402", Price Break=1000, Supplier 1=Digikey, Unit Price-Supplier 1=.11, Unit Price in Quantity=.0088, Vendor/Distributor=Digikey
C24 C47: library part "CAP 470PF 50V CERAMIC X7R 0402", "CAP 470PF 50V CERAMIC X7R 0402", Manufacturer=Yageo, Manufacturer Part Number=CC0402KRX7R9BB471, Package=0402, Supplier 1 Part Number=311-1028-1-ND, Voltage - Rated=50V, Component Type=Standard, Mounting Type=smt, Part Number="CAP 470PF 50V CERAMIC X7R 0402", Price Break=1000, Supplier 1=Digikey, Unit Price-Supplier 1=.012, Unit Price in Quantity=.0031, Vendor/Distributor=Digikey
C25 C26 C27 C28 C29 C42 C43 C44 C45 C46: library part "CAP CER 22UF 25V 20% X5R 1206", "CAP CER 22UF 25V 20% X5R 1206", Manufacturer="Taiyo Yuden", Manufacturer Part Number=TMK316BBJ226ML-T, Package=1210, Supplier 1 Part Number=587-3246-1-ND, Voltage - Rated=25V, Component Type=Standard, Mounting Type=smt, Part Number="CAP CER 22UF 25V 20% X5R 1206", Price Break=500, Supplier 1=Digikey, Unit Price-Supplier 1=.58, Unit Price in Quantity=.2169, Vendor/Distributor=Digikey
C30 C32 C71 C72: library part "CAP CER 1.0UF 25V X7R 0805", "CAP CER 1.0UF 25V X7R 0805", Manufacturer="Taiyo Yuden", Manufacturer Part Number=TMK212B7105KG-T, Package=0805, Supplier 1 Part Number=587-1281-1-ND, Voltage - Rated=25V, Component Type=Standard, Mounting Type=smt, Part Number="CAP CER 1.0UF 25V X7R 0805", Price Break=3000, Supplier 1=Digikey, Unit Price-Supplier 1=.37, Unit Price in Quantity=.033, Vendor/Distributor=Digikey
C34 C40: library part "CAP CER 10UF 50V 10% X5R 1206", "CAP CER 10UF 50V 10% X5R 1206", Manufacturer="AVX Corporation", Manufacturer Part Number=C3216X5R1H106K, Package=1206, Supplier 1 Part Number=445-5998-1-ND, Voltage - Rated=50V, Component Type=Standard, DatasheetDocument=http://www.digikey.com/product-detail/en/C3216X5R1H106K/445-5998-1-ND/2444039, Mounting Type=smt, Part Number="CAP CER 10UF 50V 10% X5R 1206", Part URL-Supplier 1=http://www.digikey.com/product-detail/en/C3216X5R1H106K/445-5998-1-ND/2444039, Price Break=1000, Supplier 1=Digikey, Unit Price-Supplier 1=1.01, Unit Price in Quantity=.396, Vendor/Distributor=Digikey
C38: library part "CAP CER 1UF 25V 10% X7R 0603", "CAP CER 1UF 25V 10% X7R 0603", Manufacturer=TDK, Manufacturer Part Number=C1608X7R1E105K, Package=0603, Supplier 1 Part Number=445-5956-1-ND, Voltage - Rated=25V, Component Type=Standard, Mounting Type=smt, Part Number="CAP CER 1UF 25V 10% X7R 0603", Price Break=1000, Supplier 1=Digikey, Unit Price-Supplier 1=.24, Unit Price in Quantity=.0588, Vendor/Distributor=Digikey
C49 C50 C51 C57 C58 C59 C64: library part "CAP CER 1.0UF 25V X7R 0805", "CAP CER 1.0UF 25V X7R 0805", Manufacturer="Taiyo Yuden", Manufacturer Part Number=TMK212B7105KG-T, Package=0805, Supplier 1 Part Number=587-1281-1-ND, Component Type=Standard, Mounting Type=smt, Part Number="CAP CER 1.0UF 25V X7R 0805", Price Break=3000, Supplier 1=Digikey, Unit Price-Supplier 1=.37, Unit Price in Quantity=.033, Vendor/Distributor=Digikey
C52 C60: library part "CAP CER 22UF 10V X5R 0805", "CAP CER 22UF 10V X5R 0805", Manufacturer="Taiyo Yuden", Manufacturer Part Number=LMK212BJ226MG-T, Package=0805, Supplier 1 Part Number=587-1958-1-ND, Component Type=Standard, Mounting Type=smt, Part Number="CAP CER 22UF 10V X5R 0805", Part URL-Supplier 1=http://search.digikey.com/scripts/DkSearch/dksus.dll?Detail&name=587-1958-1-ND, Price Break=3000, Supplier 1=Digikey, Unit Price-Supplier 1=.96, Unit Price in Quantity=.192, Vendor/Distributor=Digikey
C53 C54: library part "CAP CERAMIC 100PF 50V NP0 0402", "CAP CERAMIC 100PF 50V NP0 0402", Manufacturer=Yageo, Manufacturer Part Number=CC0402JRNP09BN101, Package=0402, Supplier 1 Part Number=311-1024-1-ND, Component Type=Standard, Mounting Type=smt, Part Number="CAP CERAMIC 100PF 50V NP0 0402", Price Break=1000, Supplier 1=Digikey, Unit Price-Supplier 1=.013, Unit Price in Quantity=.0032, Vendor/Distributor=Digikey
C55: library part "CAP CER 0.1UF 50V 10% X7R 0402", "CAP CER 0.1UF 50V 10% X7R 0402", Manufacturer="TDK Corporation", Manufacturer Part Number=C1005X7R1H104K, Package=0402, Supplier 1 Part Number=445-5932-1-ND, Component Type=Standard, DatasheetDocument=http://www.tdk.com/pdf/general_B11.pdf, Mounting Type=smt, Part Number="CAP CER 0.1UF 50V 10% X7R 0402", Part URL-Supplier 1=http://www.digikey.com/product-detail/en/C1005X7R1H104K/445-5932-1-ND/2443972?cur=USD, Price Break=1000, Supplier 1=Digikey, Unit Price-Supplier 1=.15, Unit Price in Quantity=.0275, Vendor/Distributor=Digikey
C56 C63: library part "CAP CER 10UF 25V X5R 0805", "CAP CER 10UF 25V X5R 0805", Manufacturer=Murata, Manufacturer Part Number=GRM21BR61E106KA73L, Package=0805, Supplier 1 Part Number=490-5523-1-ND, Component Type=Standard, DatasheetDocument=http://www.murata.com/products/catalog/pdf/c02e.pdf, Mounting Type=smt, Part Number="CAP CER 10UF 25V X5R 0805", Part URL-Supplier 1=http://www.digikey.com/product-detail/en/GRM21BR61E106KA73L/490-5523-1-ND/2334919, Price Break=1000, Supplier 1=Digikey, Unit Price-Supplier 1=.41, Unit Price in Quantity=.1182, Vendor/Distributor=Digikey
C61 C62: library part "CAP CER 18PF 50V 5% NPO 0402", "CAP CER 18PF 50V 5% NPO 0402", Manufacturer=Yageo, Manufacturer Part Number=CC0402JRNPO9BN180, Package=0402, Supplier 1 Part Number=311-1415-1-ND, Component Type=Standard, Mounting Type=smt, Part Number="CAP CER 18PF 50V 5% NPO 0402", Price Break=1000, Supplier 1=Digikey, Unit Price-Supplier 1=.1, Unit Price in Quantity=.0033, Vendor/Distributor=Digikey
C65: library part "CAP CER 1.0UF 6.3V 10% X5R 0402", "CAP CER 1.0UF 6.3V 10% X5R 0402", Manufacturer="Murata Electronics North America", Manufacturer Part Number=GRM155R60J105KE19D, Package=0402, Supplier 1 Part Number=490-1320-1-ND, Component Type=Standard, Mounting Type=smt, Part Number="CAP CER 1.0UF 6.3V 10% X5R 0402", Part URL-Supplier 1=http://search.digikey.com/scripts/DkSearch/dksus.dll?Detail&name=490-1320-6-ND, Price Break=10000, Supplier 1=Digikey, Unit Price-Supplier 1=0.37, Unit Price in Quantity=0.006, Vendor/Distributor=Digikey
C66: library part "CAP CER 1UF 25V 10% X7R 0603", "CAP CER 1UF 25V 10% X7R 0603", Manufacturer=TDK, Manufacturer Part Number=C1608X7R1E105K, Package=0603, Supplier 1 Part Number=445-5956-1-ND, Component Type=Standard, Mounting Type=smt, Part Number="CAP CER 1UF 25V 10% X7R 0603", Price Break=1000, Supplier 1=Digikey, Unit Price-Supplier 1=.24, Unit Price in Quantity=.0588, Vendor/Distributor=Digikey
C67 C69 C70: library part "CAP CER .22UF 25V X5R 10% 0402", "CAP CER .22UF 25V X5R 10% 0402", Manufacturer=TDK, Manufacturer Part Number=C1005X5R1E224K, Package=0402, Supplier 1 Part Number=445-5944-1-ND, Component Type=Standard, Mounting Type=smt, Part Number="CAP CER .22UF 25V X5R 10% 0402", Price Break=1000, Supplier 1=Digikey, Unit Price-Supplier 1=.3, Unit Price in Quantity=.03, Vendor/Distributor=Digikey
D1 D5 D9: library part "0603 绿灯", "发光二极管", Package=0603, SuppliersPartNumber=C72043, ComponentLink1Description=供应商链接, ComponentLink1URL=http://www.szlcsc.com/product/details_73152.html, Supplier=LC
D2 D6 D8: library part "0603 蓝灯", "发光二极管", Package=0603, SuppliersPartNumber=C72041, ComponentLink1Description=供应商链接, ComponentLink1URL=http://www.szlcsc.com/product/details_73150.html, Supplier=LC
D3 D7: library part "0603 黄灯", "发光二极管", Package=0603, SuppliersPartNumber=C72038, ComponentLink1Description=供应商链接, ComponentLink1URL=http://www.szlcsc.com/product/details_73147.html, Supplier=LC
D4: library part "0603 红灯", "发光二极管", Package=0603, SuppliersPartNumber=C2286, ComponentLink1Description=供应商链接, ComponentLink1URL=http://www.szlcsc.com/product/details_2659.html, Supplier=LC
FB1 FB2 FB3 FB4: library part "0805 100Ω 25% 100MHz", "贴片磁珠", Package=0805, SuppliersPartNumber=C1015, ComponentLink1Description=供应商链接, ComponentLink1URL=http://www.szlcsc.com/product/details_1367.html, Supplier=LC
J1 J2 J3: "Usb, 3.0 Type A, Receptacle, SMT", Manufacturer="Amphenol FCI", Package=None, Digi-Key_Part_Number=609-4660-ND, Digi-Key_Purchase_URL=https://www.digikey.com/product-detail/en/amphenol-fci/10117836-002LF/609-4660-ND/3641378?utm_source=snapeda&utm_medium=aggregator&utm_campaign=symbol, Manufacturer Part Number=10117836-002LF, SnapEDA_Link=https://www.snapeda.com/parts/10117836-002LF/Amphenol%20FCI/view-part/?ref=snap
L1 L2: library part "INDUCT ARRAY 2 COIL 3.3UH SMD", "INDUCT ARRAY 2 COIL 3.3UH SMD", Manufacturer="Bourns Inc.", Manufacturer Part Number=SRF1280-3R3Y, Package=shielded, Supplier 1 Part Number=SRF1280-3R3YCT-ND, Component Type=Standard, Mounting Type=smt, Part Number="INDUCT ARRAY 2 COIL 3.3UH SMD", Price Break=100, Supplier 1=Digikey, Unit Price-Supplier 1=1.76, Unit Price in Quantity=1.1351, Vendor/Distributor=Digikey
P1 P2 P3 P4 P21 P24 P25 P31: library part "CONN HEADER PH TOP 4POS 2MM SMD", "CONN HEADER PH TOP 4POS 2MM SMD", Manufacturer="JST Sales America Inc.", Package=header, Supplier 1 Part Number=455-1736-1-ND, Component Type=Standard, Manufacturer Part Number=B4B-PH-SM4-TB(LF)(SN), Mounting Type=SMD, Part Number="CONN HEADER PH TOP 4POS 2MM SMD", Pin Count=4, Price Break=1000, Supplier 1=Digikey, Unit Price-Supplier 1=.8, Unit Price in Quantity=.3637, Vendor/Distributor=Digikey
P5 P6 P7 P13 P14 P15 P16 P18 P19 P20 P23 P28 P29 P30: library part "CONN HEADER PH TOP 2POS 2MM SMD", "CONN HEADER PH TOP 2POS 2MM SMD", Manufacturer="JST Sales America Inc.", Package=header, Supplier 1 Part Number=455-1734-1-ND, Component Type=Standard, Manufacturer Part Number=B2B-PH-SM4-TB(LF)(SN), Mounting Type=SMD, Part Number="CONN HEADER PH TOP 2POS 2MM SMD", Pin Count=2, Price Break=500, Supplier 1=Digikey, Unit Price-Supplier 1=.55, Unit Price in Quantity=.3467, Vendor/Distributor=Digikey
P8: "Header, 25-Pin, Dual row", LatestRevisionDate=17-Jul-2002, LatestRevisionNote="Re-released for DXP Platform.", Publisher="Altium Limited"
P9: library part "CONN HEADER 2POS VL SERIES TIN", "CONN HEADER 2POS VL SERIES TIN", Manufacturer="JST Sales America Inc", Manufacturer Part Number=B02P-VL, Package=header, Supplier 1 Part Number=455-2361-ND, Component Type=Standard, Mounting Type=thru-hole, Part Number="CONN HEADER 2POS VL SERIES TIN", Pin Count=2, Price Break=1000, Supplier 1=Digikey, Unit Price in Quantity=0.3104, Vendor/Distributor=Digikey
P10 P12 P17 P22 P26: library part "CONN HEADER PH TOP 3POS 2MM SMD", "CONN HEADER PH TOP 3POS 2MM SMD", Manufacturer="JST Sales America Inc.", Package=header, Supplier 1 Part Number=455-1735-1-ND, Component Type=Standard, Manufacturer Part Number=B3B-PH-SM4-TB(LF)(SN), Mounting Type=SMD, Part Number="CONN HEADER PH TOP 3POS 2MM SMD", Pin Count=3, Price Break=1000, Supplier 1=Digikey, Unit Price-Supplier 1=.63, Unit Price in Quantity=.2972, Vendor/Distributor=Digikey
P11: library part "CONN HEADER 2POS .100\" SNGL TIN", "CONN HEADER 2POS .100\" SNGL TIN", Manufacturer="Samtec Inc", Manufacturer Part Number=TSW-150-08-T-S, Package=header, Supplier 1 Part Number=SAM1050-50-ND, Component Type=Standard, Mounting Type=thru-hole, Part Number="CONN HEADER 2POS .100\" SNGL TIN", Pin Count=2, Price Break=1000, Supplier 1=Digikey, Unit Price-Supplier 1=2.24, Unit Price in Quantity=1.0189, Vendor/Distributor=Digikey
P27: "Header, 10-Pin, Dual row, Right Angle", Manufacturer="Assmann WSW Components", Manufacturer Part Number="AWHW 10G-0202-T", LatestRevisionDate=17-Jul-2002, LatestRevisionNote="Re-released for DXP Platform.", Publisher="Altium Limited"
Q1 Q2 Q4 Q7: "MOSFET P-CH 30V 20A 8-SOIC", Manufacturer="International Rectifier", Package=SOIC-8, Supplier 1 Part Number=IRF9310TRPBFCT-ND, Component Type=Standard, Manufacturer Part Number=IRF9310TRPBF, Mounting Type=smt, PackageDescription=SOIC-SN8_M, Part Number=IRF9310TRPBF, Price Break=1000, Supplier 1=Digikey, Unit Price-Supplier 1=1.94, Unit Price in Quantity=0.7271, Vendor/Distributor=Digikey
Q3 Q5 Q6 Q8 Q9: "MOS(场效应管)", Package=SOT-23, SuppliersPartNumber=C20917, ComponentLink1Description=供应商链接, ComponentLink1URL=http://www.szlcsc.com/product/details_21629.html, Supplier=LC
R1 R2 R3 R4: library part "RES 49.9 OHM 1/10W 1% 0603 SMD", "RES 49.9 OHM 1/10W 1% 0603 SMD", Manufacturer=Yageo, Manufacturer Part Number=RC0603FR-0749R9L, Package=0603, Supplier 1 Part Number=311-49.9HRCT-ND, Component Type=Standard, Mounting Type=smt, Part Number="RES 49.9 OHM 1/10W 1% 0603 SMD", Price Break=1000, Supplier 1=Digikey, Unit Price-Supplier 1=.014, Unit Price in Quantity=.0027, Vendor/Distributor=Digikey
R5 R10 R11 R50 R55 R59 R61 R63 R67 R69 R70 R72 R74 R75: library part "RES 10K OHM 1/10W 1% 0603 SMD", "RES 10K OHM 1/10W 1% 0603 SMD", Manufacturer="Stackpole Electronics Inc", Manufacturer Part Number=RMCF0603FT10K0, Package=0603, Supplier 1 Part Number=RMCF0603FT10K0CT-ND, Component Type=Standard, Mounting Type=smt, Part Number="RES 10K OHM 1/10W 1% 0603 SMD", Part URL-Supplier 1=http://search.digikey.com/scripts/DkSearch/dksus.dll?Detail&name=RMCF0603FT10K0TR-ND, Price Break=5000, Supplier 1=Digikey, Unit Price-Supplier 1=.04, Unit Price in Quantity=.0023, Vendor/Distributor=Digikey
R6 R7 R54 R56: library part "RES 12K OHM 1/10W 1% 0603 SMD", "RES 12K OHM 1/10W 1% 0603 SMD", Manufacturer="Stackpole Electronics", Manufacturer Part Number=RMCF0603FT12K0, Package=0603, Supplier 1 Part Number=RMCF0603FT12K0CT-ND, Component Type=Standard, Mounting Type=smt, Part Number="RES 12K OHM 1/10W 1% 0603 SMD", Price Break=1000, Supplier 1=Digikey, Unit Price-Supplier 1=.04, Unit Price in Quantity=.0038, Vendor/Distributor=Digikey
R8 R42: library part "RES 1M OHM 1/16W 1% 0402 SMD", "RES 1M OHM 1/16W 1% 0402 SMD", Manufacturer="Stackpole Electronics", Manufacturer Part Number=RMCF0402FT1M00, Package=0402, Supplier 1 Part Number=RMCF0402FT1M00CT-ND, Component Type=Standard, Mounting Type=smt, Part Number="RES 1M OHM 1/16W 1% 0402 SMD", Part URL-Supplier 1=http://search.digikey.com/scripts/DkSearch/dksus.dll?Detail&name=RMCF0402FT1M00CT-ND, Price Break=1000, Supplier 1=Digikey, Unit Price-Supplier 1=.04, Unit Price in Quantity=.0038, Vendor/Distributor=Digikey
R9 R22 R24 R77 R78: library part "RES 0.0 OHM 1/10W 0603 SMD", "RES 0.0 OHM 1/10W 0603 SMD", Manufacturer="Stackpole Electronics Inc", Manufacturer Part Number=RMCF0603ZT0R00, Package=0603, Supplier 1 Part Number=RMCF0603ZT0R00CT-ND, Component Type=Standard, Mounting Type=smt, Part Number="RES 0.0 OHM 1/10W 0603 SMD", Part URL-Supplier 1=http://search.digikey.com/scripts/DkSearch/dksus.dll?Detail&name=RMCF0603ZT0R00TR-ND, Price Break=5000, Supplier 1=Digikey, Unit Price-Supplier 1=.02, Unit Price in Quantity=.0015, Vendor/Distributor=Digikey
R12 R13 R14 R31 R64 R68 R71 R73 R76: library part "RES 1K OHM 1/10W 1% 0603 SMD", "RES 1K OHM 1/10W 1% 0603 SMD", Manufacturer="Stackpole Electronics Inc", Manufacturer Part Number=RMCF0603FT1K00, Package=0603, Supplier 1 Part Number=RMCF0603FT1K00CT-ND, Component Type=Standard, Mounting Type=smt, Part Number="RES 1K OHM 1/10W 1% 0603 SMD", Part URL-Supplier 1=http://search.digikey.com/scripts/DkSearch/dksus.dll?Detail&name=RMCF0603FT1K00TR-ND, Price Break=5000, Supplier 1=Digikey, Unit Price-Supplier 1=.04, Unit Price in Quantity=.0023, Vendor/Distributor=Digikey
R15: library part "RES SMD 120 OHM 1% 1/10W 0603", "RES SMD 120 OHM 1% 1/10W 0603", Manufacturer="Panasonic Electronic Components", Manufacturer Part Number=ERJ-3EKF1200V, Package=0603, Supplier 1 Part Number=P120HCT-ND, Component Type=Standard, Mounting Type=smt, Part Number="RES SMD 120 OHM 1% 1/10W 0603", Price Break=1000, Supplier 1=Digikey, Unit Price-Supplier 1=.1, Unit Price in Quantity=.0126, Vendor/Distributor=Digikey
R16: library part "RES 5.76K OHM 1/10W 1% 0402 SMD", "RES 5.76K OHM 1/10W 1% 0402 SMD", Manufacturer="Panasonic - ECG", Manufacturer Part Number=ERJ-2RKF5761X, Package=0402, Supplier 1 Part Number=P5.76KLCT-ND, Component Type=Standard, Mounting Type=smt, Part Number="RES 5.76K OHM 1/10W 1% 0402 SMD", Price Break=1000, Supplier 1=Digikey, Unit Price-Supplier 1=.06, Unit Price in Quantity=.0067, Vendor/Distributor=Digikey
R17 R19 R27 R28: library part "RES 100K OHM 1/10W 1% 0603 SMD", "RES 100K OHM 1/10W 1% 0603 SMD", Manufacturer="Stackpole Electronics Inc", Manufacturer Part Number=RMCF0603FT100K, Package=0603, Supplier 1 Part Number=RMCF0603FT100KCT-ND, Component Type=Standard, Mounting Type=smt, Part Number="RES 100K OHM 1/10W 1% 0603 SMD", Part URL-Supplier 1=http://search.digikey.com/scripts/DkSearch/dksus.dll?Detail&name=RMCF0603FT100KTR-ND, Price Break=5000, Supplier 1=Digikey, Unit Price-Supplier 1=.04, Unit Price in Quantity=.0023, Vendor/Distributor=Digikey